# Allegro board 8880F5-0824_updates.brd (continued)
## Placement (name value [footprint] x y rotation side) (continued)
UNK3CA33  NC/47U-10-X5R-S8-TDK  [C0805]  94.72 276.23 0 bottom
UNK3CA34  10U-10-X6S-S6-MU  [C0603]  94.61 271.78 0 bottom
UNK3CA35  NC/10U-10-X6S-S6-MU  [C0603]  65.4 290.83 180 bottom
UNK3CA36  NC/47U-10-X5R-S8-TDK  [C0805]  65.3 292.74 180 bottom
UNK3CA37  10U-10-X6S-S6-MU  [C0603]  65.4 288.29 180 bottom
UNK3CA38  NC/10U-10-X6S-S6-MU  [C0603]  65.4 274.32 180 bottom
UNK3CA39  NC/47U-10-X5R-S8-TDK  [C0805]  65.3 276.23 180 bottom
UNK3CA40  10U-10-X6S-S6-MU  [C0603]  65.4 271.78 180 bottom
UNK3CC1  0.47U-10-X6S-S2-TY  [C0201]  237.98 164.12 90 bottom
UNK3CC2  4.7U-10-X6T-S4-MU  [C0402]  236.32 162.4 270 bottom
UNK3CC4  0.47U-10-X6S-S2-TY  [C0201]  229.81 187.93 0 bottom
UNK3CC6  0.47U-10-X6S-S2-TY  [C0201]  250.17 164.12 90 bottom
UNK3CC7  0.47U-10-X6S-S2-TY  [C0201]  229.81 186.66 0 bottom
UNK3CC8  0.47U-10-X6S-S2-TY  [C0201]  263.63 164.12 90 bottom
UNK3CC9  0.47U-10-X6S-S2-TY  [C0201]  254.61 206.16 270 bottom
UNK3CC11  0.47U-10-X6S-S2-TY  [C0201]  251.06 164.12 90 bottom
UNK3CC13  0.47U-10-X6S-S2-TY  [C0201]  256.77 164.12 90 bottom
UNK3CC15  4.7U-2.5-X6S-S2-MU  [C0201]  259.65 204.95 90 bottom
UNK3CC16  NC/4.7U-2.5-X6S-S2-MU  [C0201]  271.64 189.5 0 bottom
UNK3CC17  4.7U-2.5-X6S-S2-MU  [C0201]  229.81 193.69 0 bottom
UNK3CC19  0.47U-10-X6S-S2-TY  [C0201]  252.83 206.16 270 bottom
UNK3CC20  4.7U-10-X6T-S4-MU  [C0402]  254.11 207.66 0 bottom
UNK3CC22  0.47U-10-X6S-S2-TY  [C0201]  251.05 206.16 270 bottom
UNK3CC23  4.7U-10-X6T-S4-MU  [C0402]  250.34 193.09 270 bottom
UNK3CC25  0.47U-10-X6S-S2-TY  [C0201]  272.85 185.18 180 bottom
UNK3CC26  0.47U-10-X6S-S2-TY  [C0201]  253.72 206.16 270 bottom
UNK3CC27  0.47U-10-X6S-S2-TY  [C0201]  272.85 189.5 180 bottom
UNK3CC28  0.47U-10-X6S-S2-TY  [C0201]  259.65 206.16 270 bottom
UNK3CC29  0.47U-10-X6S-S2-TY  [C0201]  231.03 193.69 180 bottom
UNK3CC30  0.47U-10-X6S-S2-TY  [C0201]  229.81 183.41 0 bottom
UNK3CC31  0.47U-10-X6S-S2-TY  [C0201]  249.28 164.12 90 bottom
UNK3CC32  0.47U-10-X6S-S2-TY  [C0201]  262.36 164.12 90 bottom
UNK3CC33  0.47U-10-X6S-S2-TY  [C0201]  272.85 183.91 180 bottom
UNK3CC34  0.47U-10-X6S-S2-TY  [C0201]  251.94 206.16 270 bottom
UNK3CC35  0.47U-10-X6S-S2-TY  [C0201]  272.85 181.37 180 bottom
UNK3CC36  0.47U-10-X6S-S2-TY  [C0201]  272.85 182.64 180 bottom
UNK3CC37  0.47U-10-X6S-S2-TY  [C0201]  247.57 204.95 90 bottom
UNK3CC38  NC/4.7U-2.5-X6S-S2-MU  [C0201]  247.57 206.16 270 bottom
UNK3CC39  0.47U-10-X6S-S2-TY  [C0201]  231.03 189.2 180 bottom
UNK3CC40  4.7U-2.5-X6S-S2-MU  [C0201]  258.5 186.67 180 bottom
UNK3CC41  4.7U-2.5-X6S-S2-MU  [C0201]  229.81 189.2 0 bottom
UNK3CC42  4.7U-2.5-X6S-S2-MU  [C0201]  251.54 193.03 90 bottom
UNK3CD1  0.1U-10-X7R-S2-MU  [C0201]  237.98 165.34 270 top
UNK3CD3  0.1U-10-X7R-S2-MU  [C0201]  271.64 181.37 0 top
UNK3CD4  0.1U-10-X7R-S2-MU  [C0201]  254.61 204.95 90 top
UNK3CD5  0.1U-10-X7R-S2-MU  [C0201]  263.63 165.34 270 top
UNK3CD6  0.1U-10-X7R-S2-MU  [C0201]  231.03 186.66 180 top
UNK3CD7  0.1U-10-X7R-S2-MU  [C0201]  271.64 182.64 0 top
UNK3CD8  0.1U-10-X7R-S2-MU  [C0201]  251.06 165.34 270 top
UNK3CD9  0.1U-10-X7R-S2-MU  [C0201]  256.77 165.34 270 top
UNK3CD10  0.1U-10-X7R-S2-MU  [C0201]  271.64 189.5 0 top
UNK3CD11  0.1U-10-X7R-S2-MU  [C0201]  259.65 204.95 90 top
UNK3CD12  0.1U-10-X7R-S2-MU  [C0201]  231.03 193.69 180 top
UNK3CD13  0.1U-10-X7R-S2-MU  [C0201]  252.83 204.95 90 top
UNK3CD14  0.1U-10-X7R-S2-MU  [C0201]  251.05 204.95 90 top
UNK3CD15  0.1U-10-X7R-S2-MU  [C0201]  271.64 185.18 0 top
UNK3CD16  0.1U-10-X7R-S2-MU  [C0201]  253.72 204.95 90 top
UNK3CD17  0.1U-10-X7R-S2-MU  [C0201]  231.03 187.93 180 top
UNK3CD18  0.1U-10-X7R-S2-MU  [C0201]  251.94 204.95 90 top
UNK3CD19  0.1U-10-X7R-S2-MU  [C0201]  231.03 183.41 180 top
UNK3CD20  0.1U-10-X7R-S2-MU  [C0201]  271.64 183.91 0 top
UNK3CD21  0.1U-10-X7R-S2-MU  [C0201]  262.36 165.34 270 top
UNK3CD22  0.1U-10-X7R-S2-MU  [C0201]  249.28 165.34 270 top
UNK3CD23  0.1U-10-X7R-S2-MU  [C0201]  250.17 165.34 270 top
UNK3CD24  0.1U-10-X7R-S2-MU  [C0201]  247.57 204.95 90 top
UNK3CD25  0.1U-10-X7R-S2-MU  [C0201]  231.03 189.2 180 top
UNK3GND1  TP01  [TP_040_T]  99.91 292.74 0 top
UNK3GND2  TP01  [TP_040_T]  113.45 292.74 180 top
UNK3GND3  TP01  [TP_040_T]  99.91 276.23 0 top
UNK3GND4  TP01  [TP_040_T]  116.42 276.23 0 top
UNK3GND5  TP01  [TP_040_T]  129.96 276.23 180 top
UNK3GND6  TP01  [TP_040_T]  64.35 292.74 0 top
UNK3GND7  TP01  [TP_040_T]  95.67 292.74 180 top
UNK3GND8  TP01  [TP_040_T]  82.13 292.74 0 top
UNK3GND9  TP01  [TP_040_T]  77.89 276.23 180 top
UNK3GND10  TP01  [TP_040_T]  110.12 249.08 0 top
UNK3GND11  TP01  [TP_040_T]  105.25 249.13 0 top
UNK3GND12  TP01  [TP_040_T]  95.67 276.23 180 top
UNK3GND13  TP01  [TP_040_T]  77.89 292.74 180 top
UNK3GND14  TP01  [TP_040_T]  64.35 276.23 0 top
UNK3J1  HDR-2X1-M  [JP_2P_100]  110.49 188.72 270 bottom
UNK3J2  HDR-3X1-M  [JP_3P_100]  89.01 161.74 90 bottom
UNK3J3  HDR-3X1-M  [JP_3P_100]  89.01 175.46 90 bottom
UNK3J4  HDR-2X1-M  [JP_2P_100]  96.52 187.71 90 bottom
UNK3J5  HDR-2X1-M  [JP_2P_100]  96.52 199.39 90 bottom
UNK3K1  G6K-2F-RF-T-5V-SPECIAL  [RL_G6K2FRT_8P_5V_GR]  279.15 151.38 180 bottom
UNK3K2  G6K-2F-RF-T-5V-SPECIAL  [RL_G6K2FRT_8P_5V_GR]  252.98 136.14 180 bottom
UNK3K3  G6K-2F-RF-T-5V-SPECIAL  [RL_G6K2FRT_8P_5V_GR]  266.19 139.19 180 bottom
UNK3K4  G6K-2F-RF-T-5V-SPECIAL  [RL_G6K2FRT_8P_5V_GR]  171.7 178.31 270 bottom
UNK3K5  G6K-2F-RF-T-5V-SPECIAL  [RL_G6K2FRT_8P_5V_GR]  188.47 219.2 270 bottom
UNK3K6  G6K-2F-RF-T-5V-SPECIAL  [RL_G6K2FRT_8P_5V_GR]  205.23 219.2 270 bottom
UNK3K7  G6K-2F-RF-T-5V-SPECIAL  [RL_G6K2FRT_8P_5V_GR]  188.47 205.74 270 bottom
UNK3K8  G6K-2F-RF-T-5V-SPECIAL  [RL_G6K2FRT_8P_5V_GR]  188.47 191.77 270 bottom
UNK3K9  UA2-5NJ-A-V3  [RL_NECUA2_5V_V3]  219.96 175.46 90 bottom
UNK3K10  UA2-5NJ-A-V3  [RL_NECUA2_5V_V3]  112.01 193.55 0 bottom
UNK3K11  G6K-2F-RF-T-5V-SPECIAL  [RL_G6K2FRT_8P_5V_GR]  171.7 205.74 270 bottom
UNK3K12  UA2-5NJ-A-V3  [RL_NECUA2_5V_V3]  219.96 186.89 90 bottom
UNK3K13  UA2-5NJ-A-V3  [RL_NECUA2_5V_V3]  123.95 185.93 180 bottom
UNK3K14  UA2-5NJ-A-V3  [RL_NECUA2_5V_V3]  112.27 177.04 180 bottom
UNK3K15  UA2-5NJ-A-V3  [RL_NECUA2_5V_V3]  124.24 169.5 180 bottom
UNK3K16  G6K-2F-RF-T-5V-SPECIAL  [RL_G6K2FRT_8P_5V_GR]  205.23 205.74 270 bottom
UNK3K17  G6K-2F-RF-T-5V-SPECIAL  [RL_G6K2FRT_8P_5V_GR]  171.7 191.77 270 bottom
UNK3K18  UB2-5NU-B  [RL_NECUB2_5V]  228.45 214.32 0 bottom
UNK3K19  UA2-5NJ-A-V3  [RL_NECUA2_5V_V3]  112.27 169.42 180 bottom
UNK3K20  UA2-5NJ-A-V3  [RL_NECUA2_5V_V3]  124.21 177.04 180 bottom
UNK3K21  G6K-2F-RF-T-5V-SPECIAL  [RL_G6K2FRT_8P_5V_GR]  205.23 191.77 270 bottom
UNK3K22  G6K-2F-RF-T-5V-SPECIAL  [RL_G6K2FRT_8P_5V_GR]  205.49 151.38 270 bottom
UNK3K23  G6K-2F-RF-T-5V-SPECIAL  [RL_G6K2FRT_8P_5V_GR]  171.7 137.92 270 bottom
UNK3K24  G6K-2F-RF-T-5V-SPECIAL  [RL_G6K2FRT_8P_5V_GR]  188.47 151.13 270 bottom
UNK3K25  G6K-2F-RF-T-5V-SPECIAL  [RL_G6K2FRT_8P_5V_GR]  205.49 164.85 270 bottom
UNK3K26  G6K-2F-RF-T-5V-SPECIAL  [RL_G6K2FRT_8P_5V_GR]  188.47 164.85 270 bottom
UNK3K27  G6K-2F-RF-T-5V-SPECIAL  [RL_G6K2FRT_8P_5V_GR]  205.49 178.31 270 bottom
UNK3K28  UA2-5NJ-A-V3  [RL_NECUA2_5V_V3]  100.58 193.55 0 bottom
UNK3K29  G6K-2F-RF-T-5V-SPECIAL  [RL_G6K2FRT_8P_5V_GR]  171.7 164.85 270 bottom
UNK3K30  G6K-2F-RF-T-5V-SPECIAL  [RL_G6K2FRT_8P_5V_GR]  171.7 151.13 270 bottom
UNK3K31  EC2-5NJ-A  [RL_NECEC2_10P_5V]  88.9 275.59 90 bottom
UNK3K33  NC/UA2-5NJ-A-V3  [RL_NECUA2_5V_V3]  123.95 193.55 180 bottom
UNK3K34  EC2-5NJ-A  [RL_NECEC2_10P_5V]  106.68 292.1 90 bottom
UNK3K36  EC2-5NJ-A  [RL_NECEC2_10P_5V]  106.68 275.59 90 bottom
UNK3K37  EC2-5NJ-A  [RL_NECEC2_10P_5V]  123.19 275.59 90 bottom
UNK3K39  EC2-5NJ-A  [RL_NECEC2_10P_5V]  71.12 292.1 90 bottom
UNK3K40  EC2-5NJ-A  [RL_NECEC2_10P_5V]  88.9 292.1 90 bottom
UNK3K42  EC2-5NJ-A  [RL_NECEC2_10P_5V]  71.12 275.59 90 bottom
UNK3K43  G6K-2F-RF-T-5V-SPECIAL  [RL_G6K2FRT_8P_5V_GR]  188.47 178.31 270 bottom
UNK3R1  NC/1M-1-S4  [R0402]  221.23 167.84 180 bottom
UNK3R2  NC/1M-1-S4  [R0402]  218.95 167.84 0 bottom
UNK3R3  NC/100K-1-S4  [R0402]  192.28 131.06 180 bottom
UNK3R4  NC/100K-1-S4  [R0402]  189.74 131.06 180 bottom
UNK3R5  0-5-S4  [R0402]  222.38 212.16 270 bottom
UNK3R6  1M-1-S4  [R0402]  222.38 214.32 270 bottom
UNK3R7  49.9-1-S4  [R0402]  277.47 144.59 0 bottom
UNK3R8  49.9-1-S4  [R0402]  275.32 144.59 0 bottom
UNK3R9  49.9-1-S4  [R0402]  277.47 158.18 0 bottom
UNK3R10  49.9-1-S4  [R0402]  275.32 158.18 0 bottom
UNK3R11  49.9-1-S4  [R0402]  251.31 129.35 0 bottom
UNK3R12  49.9-1-S4  [R0402]  249.16 129.35 0 bottom
UNK3R13  49.9-1-S4  [R0402]  251.31 142.94 0 bottom
UNK3R14  49.9-1-S4  [R0402]  249.16 142.94 0 bottom
UNK3R15  49.9-1-S4  [R0402]  264.51 132.4 0 bottom
UNK3R16  49.9-1-S4  [R0402]  262.37 132.4 0 bottom
UNK3R17  49.9-1-S4  [R0402]  264.51 145.99 0 bottom
UNK3R18  49.9-1-S4  [R0402]  262.37 145.99 0 bottom
UNK3R19  49.9-1-S4  [R0402]  178.5 176.63 90 bottom
UNK3R20  49.9-1-S4  [R0402]  178.5 174.49 90 bottom
UNK3R21  49.9-1-S4  [R0402]  164.91 176.63 90 bottom
UNK3R22  49.9-1-S4  [R0402]  164.91 174.49 90 bottom
UNK3R23  49.9-1-S4  [R0402]  195.26 217.52 90 bottom
UNK3R24  49.9-1-S4  [R0402]  195.26 215.38 90 bottom
UNK3R25  49.9-1-S4  [R0402]  181.67 217.52 90 bottom
UNK3R26  49.9-1-S4  [R0402]  181.67 215.38 90 bottom
UNK3R27  49.9-1-S4  [R0402]  212.03 217.52 90 bottom
UNK3R28  49.9-1-S4  [R0402]  212.03 215.38 90 bottom
UNK3R29  49.9-1-S4  [R0402]  198.44 217.52 90 bottom
UNK3R30  49.9-1-S4  [R0402]  198.44 215.38 90 bottom
UNK3R31  49.9-1-S4  [R0402]  195.26 204.06 90 bottom
UNK3R32  49.9-1-S4  [R0402]  195.26 201.92 90 bottom
UNK3R33  49.9-1-S4  [R0402]  181.67 204.06 90 bottom
UNK3R34  49.9-1-S4  [R0402]  181.67 201.92 90 bottom
UNK3R37  49.9-1-S4  [R0402]  181.67 190.09 90 bottom
UNK3R38  49.9-1-S4  [R0402]  181.67 187.95 90 bottom
UNK3R39  49.9-1-S4  [R0402]  178.5 204.06 90 bottom
UNK3R40  49.9-1-S4  [R0402]  178.5 201.92 90 bottom
UNK3R41  49.9-1-S4  [R0402]  164.91 204.06 90 bottom
UNK3R42  49.9-1-S4  [R0402]  164.91 201.92 90 bottom
UNK3R43  49.9-1-S4  [R0402]  164.91 163.17 90 bottom
UNK3R44  49.9-1-S4  [R0402]  164.91 161.02 90 bottom
UNK3R45  49.9-1-S4  [R0402]  198.69 149.71 90 bottom
UNK3R46  49.9-1-S4  [R0402]  198.69 147.56 90 bottom
UNK3R47  49.9-1-S4  [R0402]  178.5 136.24 90 bottom
UNK3R48  49.9-1-S4  [R0402]  178.5 134.1 90 bottom
UNK3R49  49.9-1-S4  [R0402]  164.91 136.24 90 bottom
UNK3R50  49.9-1-S4  [R0402]  164.91 134.1 90 bottom
UNK3R51  49.9-1-S4  [R0402]  195.26 149.45 90 bottom
UNK3R52  49.9-1-S4  [R0402]  195.26 147.31 90 bottom
UNK3R53  49.9-1-S4  [R0402]  181.67 149.45 90 bottom
UNK3R54  49.9-1-S4  [R0402]  181.67 147.31 90 bottom
UNK3R55  49.9-1-S4  [R0402]  212.28 163.17 90 bottom
UNK3R56  49.9-1-S4  [R0402]  212.28 161.02 90 bottom
UNK3R57  49.9-1-S4  [R0402]  198.69 163.17 90 bottom
UNK3R58  49.9-1-S4  [R0402]  198.69 161.02 90 bottom
UNK3R59  49.9-1-S4  [R0402]  195.26 163.17 90 bottom
UNK3R60  49.9-1-S4  [R0402]  195.26 161.02 90 bottom
UNK3R61  49.9-1-S4  [R0402]  181.67 163.17 90 bottom
UNK3R62  49.9-1-S4  [R0402]  181.67 161.02 90 bottom
UNK3R63  49.9-1-S4  [R0402]  178.5 149.45 90 bottom
UNK3R64  49.9-1-S4  [R0402]  178.5 147.31 90 bottom
UNK3R65  49.9-1-S4  [R0402]  198.69 176.63 90 bottom
UNK3R66  49.9-1-S4  [R0402]  198.69 174.49 90 bottom
UNK3R67  49.9-1-S4  [R0402]  212.03 204.06 90 bottom
UNK3R68  49.9-1-S4  [R0402]  212.03 201.92 90 bottom
UNK3R69  49.9-1-S4  [R0402]  198.44 204.06 90 bottom
UNK3R70  49.9-1-S4  [R0402]  198.44 201.92 90 bottom
UNK3R71  49.9-1-S4  [R0402]  178.5 190.09 90 bottom
UNK3R72  49.9-1-S4  [R0402]  178.5 187.95 90 bottom
UNK3R73  49.9-1-S4  [R0402]  164.91 190.09 90 bottom
UNK3R74  49.9-1-S4  [R0402]  164.91 187.95 90 bottom
UNK3R75  49.9-1-S4  [R0402]  212.03 190.09 90 bottom
UNK3R76  49.9-1-S4  [R0402]  212.03 187.95 90 bottom
UNK3R77  49.9-1-S4  [R0402]  198.44 190.09 90 bottom
UNK3R78  49.9-1-S4  [R0402]  198.44 187.95 90 bottom
UNK3R79  49.9-1-S4  [R0402]  178.5 163.17 90 bottom
UNK3R80  49.9-1-S4  [R0402]  178.5 161.02 90 bottom
UNK3R82  4.7K-1-S4-WA  [R0402]  122.88 197.41 180 bottom
UNK3R83  4.7K-1-S4-WA  [R0402]  97.03 189.74 180 bottom
UNK3R84  4.7K-1-S4-WA  [R0402]  97.03 197.36 180 bottom
UNK3R85  100K-1-S4  [R0402]  114.05 186.44 180 bottom
UNK3R86  4.7K-1-S4-WA  [R0402]  93.59 163.77 180 bottom
UNK3R87  4.7K-1-S4-WA  [R0402]  104.39 159.62 180 bottom
UNK3R88  4.7K-1-S4-WA  [R0402]  101.85 159.62 180 bottom
UNK3R89  4.7K-1-S4-WA  [R0402]  89.28 163.72 0 bottom
UNK3R90  4.7K-1-S4-WA  [R0402]  101.85 171.81 180 bottom
UNK3R91  4.7K-1-S4-WA  [R0402]  99.31 171.81 180 bottom
UNK3R92  4.7K-1-S4-WA  [R0402]  96.77 171.81 180 bottom
UNK3R93  4.7K-1-S4-WA  [R0402]  93.59 177.49 180 bottom
UNK3R94  4.7K-1-S4-WA  [R0402]  104.51 173.17 0 bottom
UNK3R95  4.7K-1-S4-WA  [R0402]  101.95 173.22 180 bottom
UNK3R96  4.7K-1-S4-WA  [R0402]  89.52 177.49 0 bottom
UNK3R97  4.7K-1-S4-WA  [R0402]  101.95 185.42 180 bottom
UNK3R98  4.7K-1-S4-WA  [R0402]  99.41 185.42 180 bottom
UNK3R99  4.7K-1-S4-WA  [R0402]  96.87 185.42 180 bottom
UNK3R100  49.9-1-S4  [R0402]  164.91 149.45 90 bottom
UNK3R101  49.9-1-S4  [R0402]  164.91 147.31 90 bottom
UNK3R102  49.9-1-S4  [R0402]  212.28 149.71 90 bottom
UNK3R103  49.9-1-S4  [R0402]  212.28 147.56 90 bottom
UNK3R104  49.9-1-S4  [R0402]  212.28 176.63 90 bottom
UNK3R105  49.9-1-S4  [R0402]  212.28 174.49 90 bottom
UNK3R117  1K-1-S4  [R0402]  127.45 197.41 180 bottom
UNK3R118  NC/0-5-S4  [R0402]  230.41 185.39 180 bottom
UNK3R119  4.7K-1-S4-WA  [R0402]  127.51 189.74 0 bottom
UNK3R120  4.7K-1-S4-WA  [R0402]  127.51 182.12 0 bottom
UNK3R125  0-5-S4  [R0402]  123.44 180.85 180 bottom
UNK3R126  0-5-S4  [R0402]  127.51 180.85 180 bottom
UNK3R127  0-5-S4  [R0402]  123.19 173.23 180 bottom
UNK3R128  0-5-S4  [R0402]  127.76 173.23 180 bottom
UNK3R129  0-5-S4  [R0402]  221.23 169.11 180 bottom
UNK3R130  0-5-S4  [R0402]  218.95 169.11 0 bottom
UNK3R131  50-0.1-S4-HF-VI  [R0402]  223.77 183.33 90 bottom
UNK3R132  50-0.1-S4-HF-VI  [R0402]  216.15 183.33 90 bottom
UNK3R133  0-5-S4  [R0402]  222.38 216.48 90 bottom
UNK3SH1  SHORT  [DEFAULT_SHORT_SMALL]  111.53 289.45 0 top
UNK3SH2  SHORT  [DEFAULT_SHORT_SMALL]  113.48 289.45 0 top
UNK3SH3  SHORT  [DEFAULT_SHORT_SMALL]  101.69 289.45 0 top
UNK3SH4  SHORT  [DEFAULT_SHORT_SMALL]  99.74 289.58 180 top
UNK3SH5  SHORT  [DEFAULT_SHORT_SMALL]  101.69 272.94 0 top
UNK3SH6  SHORT  [DEFAULT_SHORT_SMALL]  99.74 273.07 180 top
UNK3SH7  SHORT  [DEFAULT_SHORT_SMALL]  128.04 272.94 0 top
UNK3SH8  SHORT  [DEFAULT_SHORT_SMALL]  116.25 273.07 180 top
UNK3SH9  SHORT  [DEFAULT_SHORT_SMALL]  129.99 272.94 0 top
UNK3SH10  SHORT  [DEFAULT_SHORT_SMALL]  118.2 272.94 0 top
UNK3SH11  SHORT  [DEFAULT_SHORT_SMALL]  64.18 289.58 180 top
UNK3SH12  SHORT  [DEFAULT_SHORT_SMALL]  75.97 289.45 0 top
UNK3SH13  SHORT  [DEFAULT_SHORT_SMALL]  95.7 289.45 0 top
UNK3SH14  SHORT  [DEFAULT_SHORT_SMALL]  93.75 289.45 0 top
UNK3SH15  SHORT  [DEFAULT_SHORT_SMALL]  81.96 289.58 180 top
UNK3SH16  SHORT  [DEFAULT_SHORT_SMALL]  83.91 289.45 0 top
UNK3SH17  SHORT  [DEFAULT_SHORT_SMALL]  58.65 287.91 180 top
UNK3SH18  SHORT  [DEFAULT_SHORT_SMALL]  75.97 272.94 0 top
UNK3SH19  SHORT  [DEFAULT_SHORT_SMALL]  110.18 246.07 0 top
UNK3SH20  SHORT  [DEFAULT_SHORT_SMALL]  112.38 246.07 0 top
UNK3SH21  SHORT  [DEFAULT_SHORT_SMALL]  105.32 246.12 0 top
UNK3SH22  SHORT  [DEFAULT_SHORT_SMALL]  107.52 246.12 0 top
UNK3SH23  SHORT  [DEFAULT_SHORT_SMALL]  93.75 272.94 0 top
UNK3SH24  SHORT  [DEFAULT_SHORT_SMALL]  95.93 272.81 180 top
UNK3SH25  SHORT  [DEFAULT_SHORT_SMALL]  66.13 289.45 0 top
UNK3SH26  SHORT  [DEFAULT_SHORT_SMALL]  77.92 289.45 0 top
UNK3SH27  SHORT  [DEFAULT_SHORT_SMALL]  66.13 272.94 0 top
UNK3SH28  SHORT  [DEFAULT_SHORT_SMALL]  77.92 272.94 0 top
UNK3TP_AUXVCC  TP01  [TP_040_T]  112.05 247.23 180 top
UNK3TP_AVDD11_RX  TP01  [TP_040_T]  118.32 274.32 180 top
UNK3TP_AVDD11_XTAL  TP01  [TP_040_T]  93.77 274.32 0 top
UNK3TP_AVDD18_RX  TP01  [TP_040_T]  128.06 274.32 0 top
UNK3TP_PLL_M_VDD33  TP01  [TP_040_T]  93.77 290.83 0 top
UNK3TP_PLL_TX_VDD33  TP01  [TP_040_T]  84.03 290.83 180 top
UNK3TP_VCC3V3  TP01  [TP_040_T]  107.18 247.28 180 top
UNK3TP_VDD_IO_33  TP01  [TP_040_T]  101.81 290.83 180 top
UNK3TP_VDD_TXREG_33_B  TP01  [TP_040_T]  75.99 274.32 0 top
UNK3TP_VDD_TXREG_33_T  TP01  [TP_040_T]  66.25 274.32 180 top
UNK3TP_VDDA_33_LV  TP01  [TP_040_T]  111.55 290.83 0 top
UNK3TP_VDDC_11  TP01  [TP_040_T]  101.81 274.32 180 top
UNK3TP_VDDTXPST_11_B  TP01  [TP_040_T]  75.99 290.83 0 top
UNK3TP_VDDTXPST_11_T  TP01  [TP_040_T]  66.25 290.83 180 top
UNK3TP_XTAL_IN  TP01  [TP_040_T]  226.85 211.67 0 top
UNK3TP_XTAL_OUT  TP01  [TP_040_T]  226.85 216.97 0 top
UNK3U1  SOLDER-DIP8-SOCKET  [DIP8_300X100_RLPIN]  104.91 161.85 90 bottom
UNK3U2  SOLDER-DIP8-SOCKET  [DIP8_300X100_RLPIN]  105.02 175.46 90 bottom
UNK3UF1  MX25L4006EM2I-12G-SOP8  [SOCKET_CODE]  104.91 161.85 270 top
UNK3UF2  MX25L4006EM2I-12G-SOP8  [SOCKET_CODE]  105 175.51 270 top
UNK3Y1  XTAL27M-S2520-ABRACON-10P  [XTAL_2X2P5MM_4P]  218.76 214.89 270 bottom
UNK3Y2  NC/XTAL27M-S3225-TXC-10P  [XTAL_3P2X2P5MM_4P_TXC_0201]  218.76 214.89 270 bottom
UNK4C3  0.1U-16-X-S4-MU  [C0402]  299.72 132.08 180 bottom
UNK4C4  0.1U-16-X-S4-MU  [C0402]  297.18 132.08 180 bottom
UNK4C5  22P-50-N-S4-AVX  [C0402]  301.21 217.48 90 bottom
UNK4C6  22P-50-N-S4-AVX  [C0402]  301.21 211.16 270 bottom
UNK4C7  0.1U-16-X-S4-MU  [C0402]  468.12 192.28 180 bottom
UNK4C8  0.1U-16-X-S4-MU  [C0402]  475.39 161.55 0 bottom
UNK4C9  0.1U-16-X-S4-MU  [C0402]  475.49 175.15 0 bottom
UNK4CA1  NC/10U-10-X6S-S6-MU  [C0603]  512.44 276.86 0 bottom
UNK4CA2  NC/47U-10-X5R-S8-TDK  [C0805]  512.55 278.76 0 bottom
UNK4CA3  NC/10U-10-X6S-S6-MU  [C0603]  501.01 276.86 180 bottom
UNK4CA4  NC/47U-10-X5R-S8-TDK  [C0805]  500.91 278.76 180 bottom
UNK4CA5  NC/10U-10-X6S-S6-MU  [C0603]  517.52 293.37 180 bottom
UNK4CA6  NC/47U-10-X5R-S8-TDK  [C0805]  517.42 295.27 180 bottom
UNK4CA7  NC/10U-10-X6S-S6-MU  [C0603]  528.95 276.86 0 bottom
UNK4CA8  NC/47U-10-X5R-S8-TDK  [C0805]  529.06 278.76 0 bottom
UNK4CA9  NC/10U-10-X6S-S6-MU  [C0603]  517.52 276.86 180 bottom
UNK4CA10  NC/47U-10-X5R-S8-TDK  [C0805]  517.42 278.76 180 bottom
UNK4CA11  NC/10U-10-X6S-S6-MU  [C0603]  528.95 260.35 0 bottom
UNK4CA12  NC/47U-10-X5R-S8-TDK  [C0805]  529.06 262.25 0 bottom
UNK4CA13  NC/47U-10-X5R-S8-TDK  [C0805]  496.04 262.25 0 bottom
UNK4CA14  NC/10U-10-X6S-S6-MU  [C0603]  495.93 260.35 0 bottom
UNK4CA15  NC/47U-10-X5R-S8-TDK  [C0805]  484.4 262.25 180 bottom
UNK4CA16  NC/10U-10-X6S-S6-MU  [C0603]  484.5 260.35 180 bottom
UNK4CA17  NC/47U-10-X5R-S8-TDK  [C0805]  479.53 262.25 0 bottom
UNK4CA18  NC/10U-10-X6S-S6-MU  [C0603]  479.42 260.35 0 bottom
UNK4CA19  NC/47U-10-X5R-S8-TDK  [C0805]  121.24 249.66 180 bottom
UNK4CA20  NC/10U-10-X6S-S6-MU  [C0603]  121.34 247.75 180 bottom
UNK4CA21  10U-10-X6S-S6-MU  [C0603]  512.44 274.32 0 bottom
UNK4CA22  10U-10-X6S-S6-MU  [C0603]  501.01 274.32 180 bottom
UNK4CA23  10U-10-X6S-S6-MU  [C0603]  517.52 290.83 180 bottom
UNK4CA24  10U-10-X6S-S6-MU  [C0603]  528.95 274.32 0 bottom
UNK4CA25  10U-10-X6S-S6-MU  [C0603]  517.52 274.32 180 bottom
UNK4CA26  10U-10-X6S-S6-MU  [C0603]  528.95 257.81 0 bottom
UNK4CA27  10U-10-X6S-S6-MU  [C0603]  495.93 257.81 0 bottom
UNK4CA28  10U-10-X6S-S6-MU  [C0603]  484.5 257.81 180 bottom
UNK4CA29  10U-10-X6S-S6-MU  [C0603]  479.42 257.81 0 bottom
UNK4CA30  NC/47U-10-X5R-S8-TDK  [C0805]  116.38 249.71 180 bottom
UNK4CA31  10U-10-X6S-S6-MU  [C0603]  116.48 247.8 180 bottom
UNK4CA32  NC/10U-10-X6S-S6-MU  [C0603]  512.44 260.35 0 bottom
UNK4CA33  NC/47U-10-X5R-S8-TDK  [C0805]  512.55 262.25 0 bottom
UNK4CA34  10U-10-X6S-S6-MU  [C0603]  512.44 257.81 0 bottom
UNK4CA35  NC/10U-10-X6S-S6-MU  [C0603]  517.52 260.35 180 bottom
UNK4CA36  NC/47U-10-X5R-S8-TDK  [C0805]  517.42 262.25 180 bottom
UNK4CA37  10U-10-X6S-S6-MU  [C0603]  517.52 257.81 180 bottom
UNK4CA38  NC/10U-10-X6S-S6-MU  [C0603]  468 260.35 180 bottom
UNK4CA39  NC/47U-10-X5R-S8-TDK  [C0805]  467.89 262.25 180 bottom
UNK4CA40  10U-10-X6S-S6-MU  [C0603]  468 257.81 180 bottom
UNK4CC1  0.47U-10-X6S-S2-TY  [C0201]  317.98 164.12 90 bottom
UNK4CC2  4.7U-10-X6T-S4-MU  [C0402]  316.32 162.4 270 bottom
UNK4CC4  0.47U-10-X6S-S2-TY  [C0201]  309.81 187.93 0 bottom
UNK4CC6  0.47U-10-X6S-S2-TY  [C0201]  330.17 164.12 90 bottom
UNK4CC7  0.47U-10-X6S-S2-TY  [C0201]  309.81 186.66 0 bottom
UNK4CC8  0.47U-10-X6S-S2-TY  [C0201]  343.63 164.12 90 bottom
UNK4CC9  0.47U-10-X6S-S2-TY  [C0201]  334.61 206.16 270 bottom
UNK4CC11  0.47U-10-X6S-S2-TY  [C0201]  331.06 164.12 90 bottom
UNK4CC13  0.47U-10-X6S-S2-TY  [C0201]  336.77 164.12 90 bottom
UNK4CC15  4.7U-2.5-X6S-S2-MU  [C0201]  339.65 204.95 90 bottom
UNK4CC16  NC/4.7U-2.5-X6S-S2-MU  [C0201]  351.64 189.5 0 bottom
UNK4CC17  4.7U-2.5-X6S-S2-MU  [C0201]  309.81 193.69 0 bottom
UNK4CC19  0.47U-10-X6S-S2-TY  [C0201]  332.83 206.16 270 bottom
UNK4CC20  4.7U-10-X6T-S4-MU  [C0402]  334.11 207.66 0 bottom
UNK4CC22  0.47U-10-X6S-S2-TY  [C0201]  331.05 206.16 270 bottom
UNK4CC23  4.7U-10-X6T-S4-MU  [C0402]  330.34 193.09 270 bottom
UNK4CC25  0.47U-10-X6S-S2-TY  [C0201]  352.85 185.18 180 bottom
UNK4CC26  0.47U-10-X6S-S2-TY  [C0201]  333.72 206.16 270 bottom
UNK4CC27  0.47U-10-X6S-S2-TY  [C0201]  352.85 189.5 180 bottom
UNK4CC28  0.47U-10-X6S-S2-TY  [C0201]  339.65 206.16 270 bottom
UNK4CC29  0.47U-10-X6S-S2-TY  [C0201]  311.03 193.69 180 bottom
UNK4CC30  0.47U-10-X6S-S2-TY  [C0201]  309.81 183.41 0 bottom
UNK4CC31  0.47U-10-X6S-S2-TY  [C0201]  329.28 164.12 90 bottom
UNK4CC32  0.47U-10-X6S-S2-TY  [C0201]  342.36 164.12 90 bottom
UNK4CC33  0.47U-10-X6S-S2-TY  [C0201]  352.85 183.91 180 bottom
UNK4CC34  0.47U-10-X6S-S2-TY  [C0201]  331.94 206.16 270 bottom
UNK4CC35  0.47U-10-X6S-S2-TY  [C0201]  352.85 181.37 180 bottom
UNK4CC36  0.47U-10-X6S-S2-TY  [C0201]  352.85 182.64 180 bottom
UNK4CC37  0.47U-10-X6S-S2-TY  [C0201]  327.57 204.95 90 bottom
UNK4CC38  NC/4.7U-2.5-X6S-S2-MU  [C0201]  327.57 206.16 270 bottom
UNK4CC39  0.47U-10-X6S-S2-TY  [C0201]  311.03 189.2 180 bottom
UNK4CC40  4.7U-2.5-X6S-S2-MU  [C0201]  338.5 186.67 180 bottom
UNK4CC41  4.7U-2.5-X6S-S2-MU  [C0201]  309.81 189.2 0 bottom
UNK4CC42  4.7U-2.5-X6S-S2-MU  [C0201]  331.54 193.03 90 bottom
UNK4CD1  0.1U-10-X7R-S2-MU  [C0201]  317.98 165.34 270 top
UNK4CD3  0.1U-10-X7R-S2-MU  [C0201]  351.64 181.37 0 top
UNK4CD4  0.1U-10-X7R-S2-MU  [C0201]  334.61 204.95 90 top
UNK4CD5  0.1U-10-X7R-S2-MU  [C0201]  343.63 165.34 270 top
UNK4CD6  0.1U-10-X7R-S2-MU  [C0201]  311.03 186.66 180 top
UNK4CD7  0.1U-10-X7R-S2-MU  [C0201]  351.64 182.64 0 top
UNK4CD8  0.1U-10-X7R-S2-MU  [C0201]  331.06 165.34 270 top
UNK4CD9  0.1U-10-X7R-S2-MU  [C0201]  336.77 165.34 270 top
UNK4CD10  0.1U-10-X7R-S2-MU  [C0201]  351.64 189.5 0 top
UNK4CD11  0.1U-10-X7R-S2-MU  [C0201]  339.65 204.95 90 top
UNK4CD12  0.1U-10-X7R-S2-MU  [C0201]  311.03 193.69 180 top
UNK4CD13  0.1U-10-X7R-S2-MU  [C0201]  332.83 204.95 90 top
UNK4CD14  0.1U-10-X7R-S2-MU  [C0201]  331.05 204.95 90 top
UNK4CD15  0.1U-10-X7R-S2-MU  [C0201]  351.64 185.18 0 top
UNK4CD16  0.1U-10-X7R-S2-MU  [C0201]  333.72 204.95 90 top
UNK4CD17  0.1U-10-X7R-S2-MU  [C0201]  311.03 187.93 180 top
UNK4CD18  0.1U-10-X7R-S2-MU  [C0201]  331.94 204.95 90 top
UNK4CD19  0.1U-10-X7R-S2-MU  [C0201]  311.03 183.41 180 top
UNK4CD20  0.1U-10-X7R-S2-MU  [C0201]  351.64 183.91 0 top
UNK4CD21  0.1U-10-X7R-S2-MU  [C0201]  342.36 165.34 270 top
UNK4CD22  0.1U-10-X7R-S2-MU  [C0201]  329.28 165.34 270 top
UNK4CD23  0.1U-10-X7R-S2-MU  [C0201]  330.17 165.34 270 top
UNK4CD24  0.1U-10-X7R-S2-MU  [C0201]  327.57 204.95 90 top
UNK4CD25  0.1U-10-X7R-S2-MU  [C0201]  311.03 189.2 180 top
UNK4GND1  TP01  [TP_040_T]  499.96 278.76 0 top
UNK4GND2  TP01  [TP_040_T]  513.5 278.76 180 top
UNK4GND3  TP01  [TP_040_T]  516.47 295.27 0 top
UNK4GND4  TP01  [TP_040_T]  516.47 278.76 0 top
UNK4GND5  TP01  [TP_040_T]  530.01 278.76 180 top
UNK4GND6  TP01  [TP_040_T]  516.47 262.25 0 top
UNK4GND7  TP01  [TP_040_T]  496.99 262.25 180 top
UNK4GND8  TP01  [TP_040_T]  483.45 262.25 0 top
UNK4GND9  TP01  [TP_040_T]  480.48 262.25 180 top
UNK4GND10  TP01  [TP_040_T]  120.26 249.61 0 top
UNK4GND11  TP01  [TP_040_T]  115.4 249.66 0 top
UNK4GND12  TP01  [TP_040_T]  513.5 262.25 180 top
UNK4GND13  TP01  [TP_040_T]  530.01 262.25 180 top
UNK4GND14  TP01  [TP_040_T]  466.94 262.25 0 top
UNK4J1  HDR-2X1-M  [JP_2P_100]  468.63 189.99 90 bottom
UNK4J2  HDR-3X1-M  [JP_3P_100]  490.87 185.22 270 bottom
UNK4J3  HDR-3X1-M  [JP_3P_100]  490.87 171.51 270 bottom
UNK4J4  HDR-2X1-M  [JP_2P_100]  483.11 199.9 270 bottom
UNK4J5  HDR-2X1-M  [JP_2P_100]  483.11 188.21 270 bottom
UNK4K1  G6K-2F-RF-T-5V-SPECIAL  [RL_G6K2FRT_8P_5V_GR]  418.85 167.64 0 bottom
UNK4K2  G6K-2F-RF-T-5V-SPECIAL  [RL_G6K2FRT_8P_5V_GR]  405.89 150.88 0 bottom
UNK4K3  G6K-2F-RF-T-5V-SPECIAL  [RL_G6K2FRT_8P_5V_GR]  322.07 135.64 0 bottom
UNK4K4  G6K-2F-RF-T-5V-SPECIAL  [RL_G6K2FRT_8P_5V_GR]  407.16 213.61 0 bottom
UNK4K5  G6K-2F-RF-T-5V-SPECIAL  [RL_G6K2FRT_8P_5V_GR]  419.35 150.88 0 bottom
UNK4K6  G6K-2F-RF-T-5V-SPECIAL  [RL_G6K2FRT_8P_5V_GR]  392.18 150.88 0 bottom
UNK4K7  G6K-2F-RF-T-5V-SPECIAL  [RL_G6K2FRT_8P_5V_GR]  419.61 185.17 270 bottom
UNK4K8  G6K-2F-RF-T-5V-SPECIAL  [RL_G6K2FRT_8P_5V_GR]  401.32 135.89 0 bottom